# Altium PCB WX0.006.499PCB-4.2.PcbDoc
Units mm, origin at the board's own origin, x right, y up, seen from the top; angles counter-clockwise.
Board outline 80.25 x 205.05 mm, 4 copper layers (Top Layer, GND, POWER, Bottom Layer), stack 0.778 mm thick; 72 components, 48 nets, 289 pads, 302 vias.
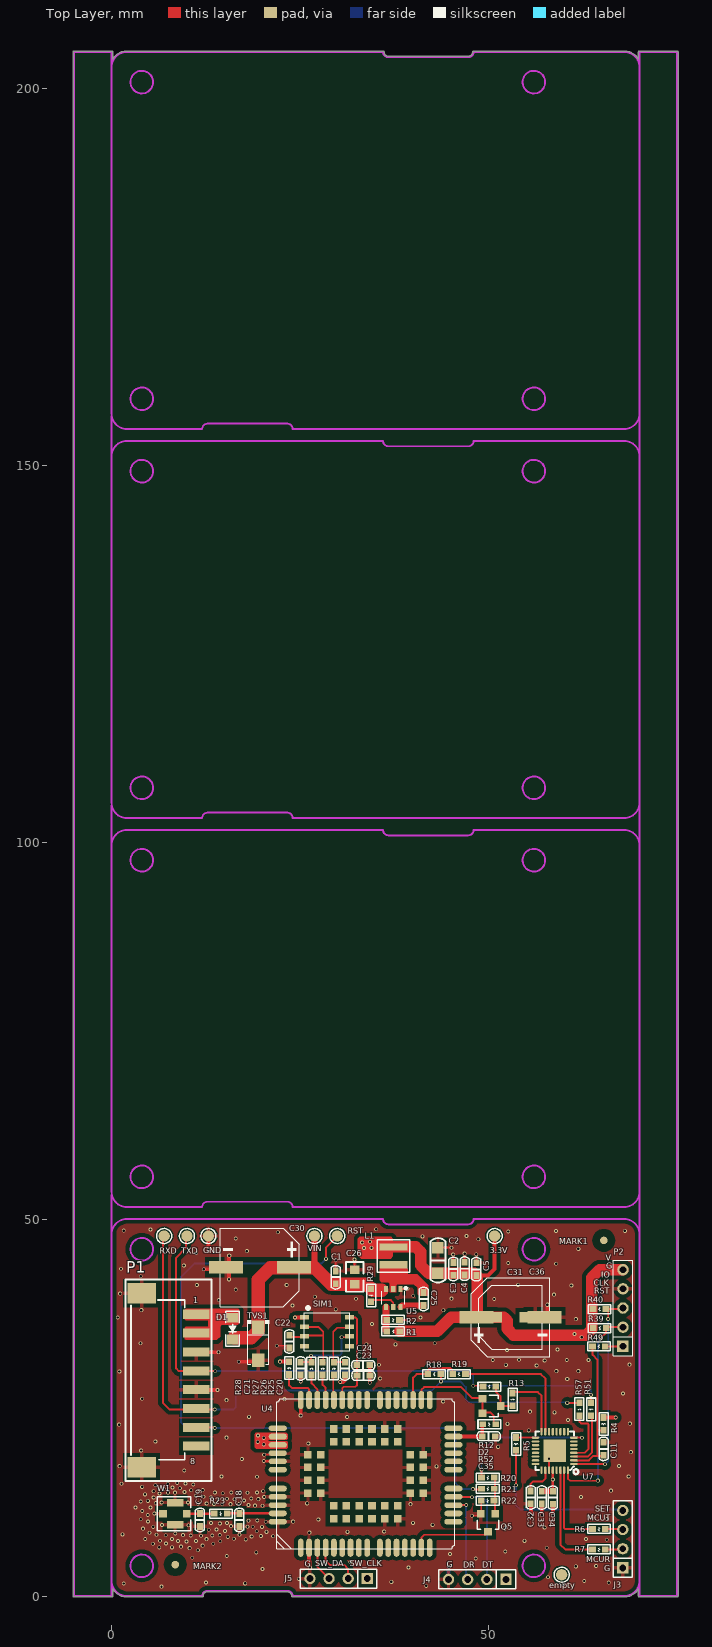
[diagram p0: Top Layer view]
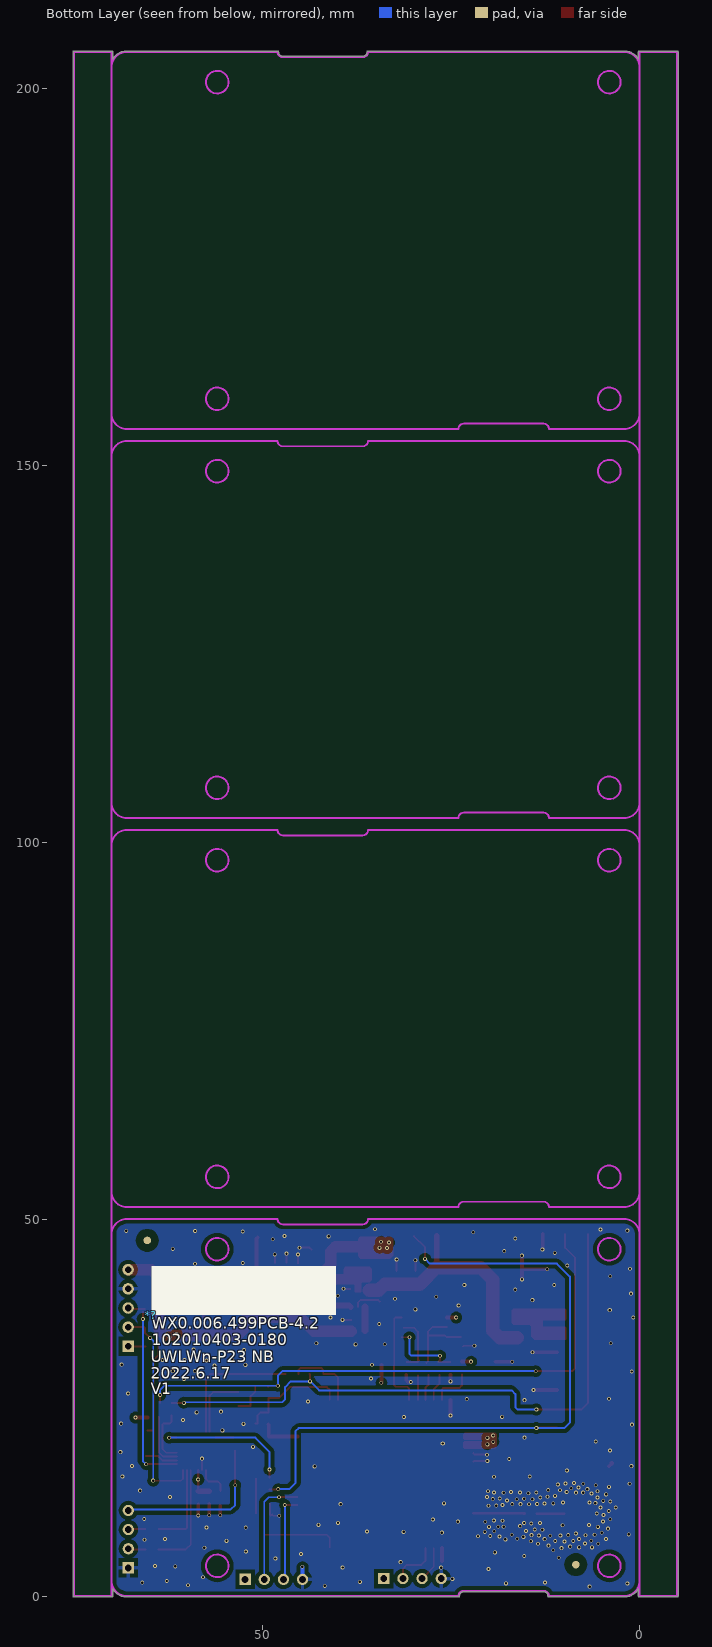
[diagram p1: Bottom Layer view, seen from below]
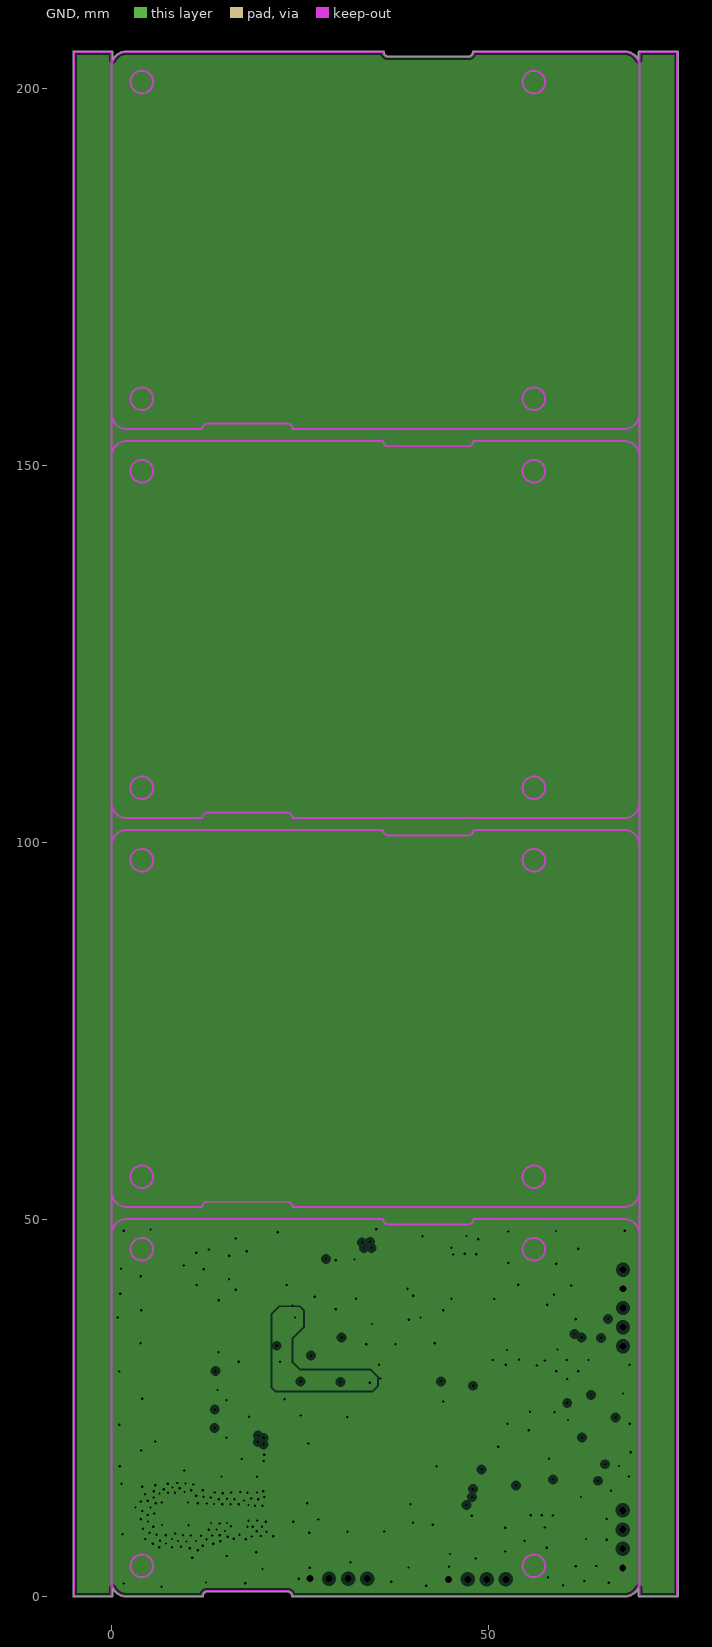
[diagram p2: GND, clearances drawn from the general rule]
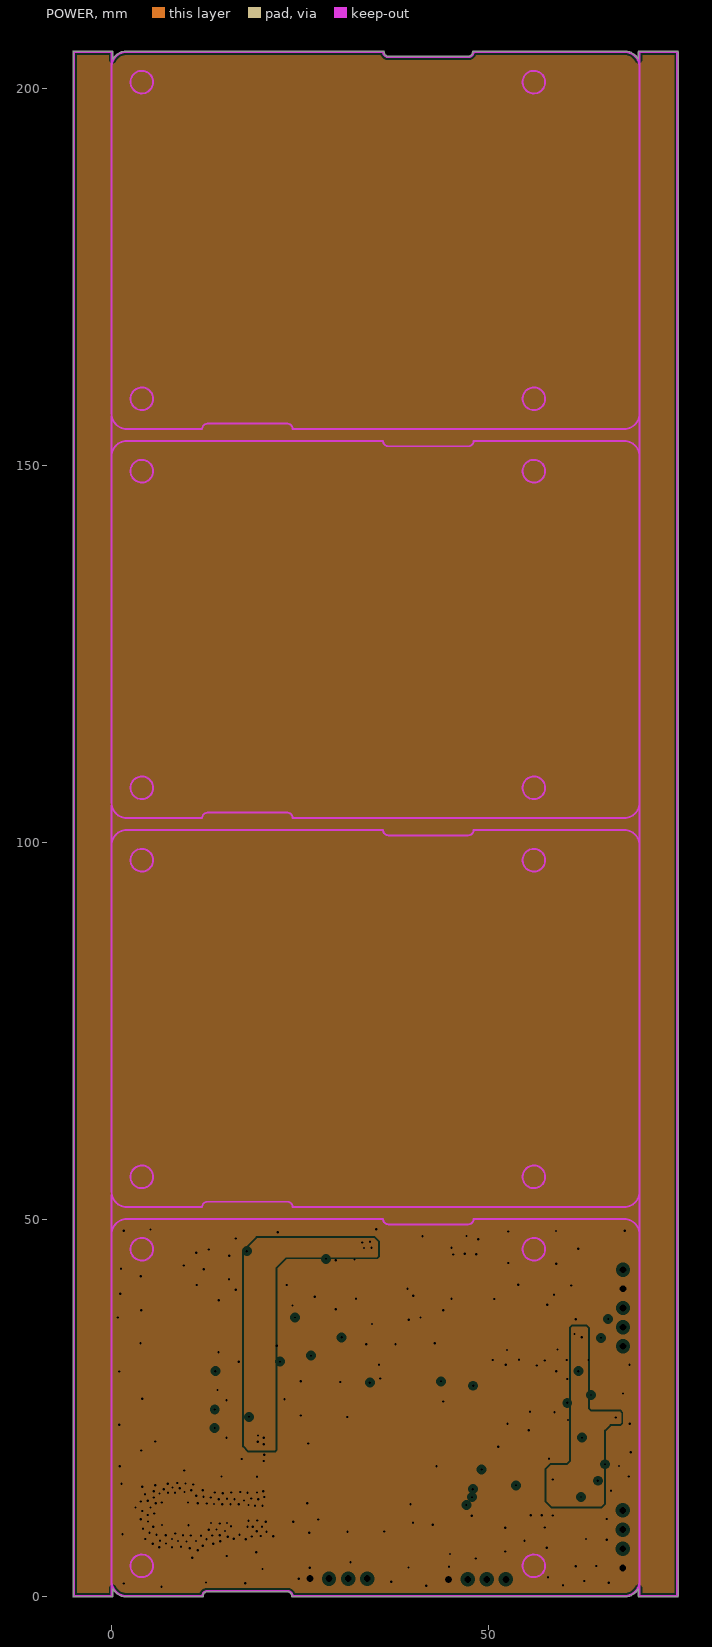
[diagram p3: POWER, clearances drawn from the general rule]

## Layer stack, top to bottom
Top Solder: solder mask 0.0102, Solder Resist, Dk 3.5
Top Layer: signal copper 0.0356
Dielectric 1: core 0.254, FR-4, Dk 4.2
GND: plane copper 0.036, net GND
Dielectric 2: prepreg 0.127, Dk 4.2
POWER: plane copper 0.036, net (Multiple Nets)
Dielectric 3: core 0.254, Dk 4.2
Bottom Layer: signal copper 0.0356
Bottom Solder: solder mask 0.0102, Solder Resist, Dk 3.5

## Board outline
-5,-0.127 0,-0.127 ccw(c0,0) 0.127,0 0.127,0.991 ccw(c2,2) 1.998,-0.127 ccw(c2,0) 2,-0.127 12,-0.127 ccw(c12,0) 12.127,0 cw(c12.7,0) 12.7,0.573 23.3,0.573 cw(c23.3,0) 23.873,0 ccw(c24,0) 24,-0.127 68,-0.127 ccw(c68,0) 68.002,-0.127 ccw(c68,2) 69.873,0.991 69.873,0 ccw(c70,0) 70,-0.127 75,-0.127 ccw(c75,0) 75.127,0 75.127,204.8 ccw(c75,204.8) 75,204.927 70,204.927 ccw(c70,204.8) 69.873,204.8 69.873,203.809 ccw(c68,202.8) 68.001,204.927 ccw(c68,204.8) 68,204.927 48,204.927 ccw(c48,204.8) 47.873,204.8 cw(c47.3,204.8) 47.3,204.227 36.7,204.227 cw(c36.7,204.8) 36.127,204.8 ccw(c36,204.8) 36,204.927 2,204.927 ccw(c2,204.8) 1.998,204.927 2,204.927 ccw(c2,202.8) 0.127,203.81 0.127,204.8 ccw(c0,204.8) 0,204.927 -5,204.927 ccw(c-5,204.8) -5.127,204.8 -5.127,0 ccw(c-5,0)

## Design rules (kind name [scope] priority, off if disabled: settings)
Clearance VIA-VIA [ISVIA vs ISVIA] p1: gap=0.508 ignorepadtopadclearanceinfootprint=FALSE except(0: Arc-Hole Track-Hole SMDPad-Hole THPad-Hole Via-Hole Fill-Hole Poly-Hole Region-Hole Text-Hole)
Clearance VIA-PAD [ISVIA vs ISPAD] p2: gap=0.381 ignorepadtopadclearanceinfootprint=FALSE except(0: Arc-Hole Track-Hole SMDPad-Hole THPad-Hole Via-Hole Fill-Hole Poly-Hole Region-Hole Text-Hole)
Clearance VIA-TRACK [ISVIA vs ISTRACK] p3: gap=0.381 ignorepadtopadclearanceinfootprint=FALSE except(0: Arc-Hole Track-Hole SMDPad-Hole THPad-Hole Via-Hole Fill-Hole Poly-Hole Region-Hole Text-Hole)
Clearance Polygon [InPolygon] p4: gap=0.508 ignorepadtopadclearanceinfootprint=FALSE except(0: Arc-Hole Track-Hole SMDPad-Hole THPad-Hole Via-Hole Fill-Hole Poly-Hole Region-Hole Text-Hole)
Clearance [All] p5: gap=0.178 ignorepadtopadclearanceinfootprint=FALSE except(0: Arc-Hole Track-Hole SMDPad-Hole THPad-Hole Via-Hole Fill-Hole Poly-Hole Region-Hole Text-Hole)
ComponentClearance [All] p1 off: gap=0.254 collisioncheckmode=3 verticalgap=0.254 showdistances=FALSE
FabricationTestPointUsage TestPointUsage [All] p1: valid=0 allowmultiple=FALSE
FabricationTestpoint Testpoint [(IsPad And (OnTopLayer Or OnBottomLayer))] p1: side=3 testpointundercomponent=TRUE minsize=1.016 maxsize=2.54 preferedsize=1.524 minholesize=0 maxholesize=1.016 preferedholesize=0.813 testpointgrid=0.025 allowsidetop=TRUE allowsidebottom=TRUE usegrid=TRUE gridtolerance=0
HoleSize [All] p1 off: absolutevalues=TRUE maxlimit=7.62 minlimit=0 maxpercent=80.000 minpercent=20.000
HoleToHoleClearance [All] p1 off: gap=0.254 allowstackedmicrovias=TRUE
LayerPairs [All] p1 off: enforce=TRUE
MinimumSolderMaskSliver [All] p1 off: minsoldermaskwidth=0.254
NetAntennae [All] p1 off: netantennaetolerance=0
PlaneClearance [All] p1: clearance=0.508
PlaneConnect [All] p1: planeconnectstyle=Direct reliefexpansion=0.508 reliefentries=4 reliefconductorwidth=0.508 reliefairgap=0.254
PolygonConnect [isvia] p1: connectstyle=Direct reliefconductorwidth=0.381 reliefentries=4 polygonreliefangle="90 Angle" airgapwidth=0.254
PolygonConnect PolygonConnect_1 [All] p2: connectstyle=Relief reliefconductorwidth=0.508 reliefentries=4 polygonreliefangle="90 Angle" airgapwidth=0.508
RoutingVias [All] p1: holewidth=0.254 width=0.508 viastyle="Through Hole" minholewidth=0.127 minwidth=0.127 maxholewidth=1.27 maxwidth=2.54
SilkToBoardRegionClearance [All] p1 off:
SilkToSilkClearance [All] p1 off: silktosilkclearance=0.254
SilkToSolderMaskClearance [IsPad] p1 off: minsilkscreentomaskgap=0.254 clearancetoexposedcopper=TRUE
SolderMaskExpansion [All] p1: expansion=0.102
Width [All] p1: maxlimit=7.62 minlimit=0.203 preferedwidth=0.203
17 further rules are at their usual default settings.

## Components (designator, comment, footprint, x,y, rotation, side; value= is the part's Value field where it differs from the comment)
3.3V "TEST-PAD" TEST-PAD 50.8,47.752 r90 top
*? "Bar Code" "Bar Code1" 64.719,37.262 r180 bottom locked
C1 "100nF/50V" CAP0603 29.718,43.104 r270 top
C2 "10uF/16V" CAP1206 43.282,42.799 r90 top
C3 "100nF/50V" CAP0603 45.314,42.545 r90 top
C4 "33pF/50V" CAP0603 46.812,42.596 r90 top
C5 "10pF/50V" CAP0603 48.362,42.52 r90 top
C11 "100nF/50V" CAP0603 65.227,18.694 r90 top
C18 "NC" CAP0603 16.942,10.922 r270 top
C19 "NC" CAP0603 11.723,10.922 r270 top
C20 "33pF/50V" CAP0603 30.937,31.013 r270 top
C21 "33pF/50V" CAP0603 25.07,31.013 r270 top
C22 "33pF/50V" CAP0603 23.571,34.595 r270 top
C23 "33pF/50V" CAP0603 32.563,29.235 r0 top
C24 "100nF/50V" CAP0603 32.537,30.632 r0 top
C25 "100nF/50V" CAP0603 41.377,40.234 r270 top
C26 "22uF/10V" CAP0805 32.233,41.377 r0 top
C30 "1000uF/16V" CAPSM_450_1000_1050 19.66,43.586 r270 top
C31 "1000uF/16V" CAPSM_450_1000_1050 52.908,36.982 r90 top
C32 "10uF/10V" CAP0603 55.575,12.243 r90 top
C33 "10uF/10V" CAP0603 57.048,13.894 r270 top
C34 "100nF/50V" CAP0603 58.522,13.868 r270 top
C35 "1uF/16V" CAP0603 49.174,21.184 r0 top
C36 "220uF/16V" 220uf 52.908,36.982 r0 top
D1 "DSK14" SOD-123FL 16.027,36.982 r270 top
D2 "BAT54CLT1" SOT-23 50.394,25.197 r270 top
empty "TEST-PAD" TEST-PAD 59.69,2.819 r90 top
GND "GND" TEST-PAD 12.827,47.752 r0 top
J3 "PIN254_1*4*WXHJ" PIN254_1*4*1100S 67.793,3.734 r90 top
J4 "PIN254_1*4*WXHJ" PIN254_1*4*1100S 52.299,2.21 r180 top
J5 "PIN254_1*4*WXHJ" PIN254_1*4*1100S 33.909,2.311 r180 top
L1 "4.7uH, 2.9A" WE-MAPI_4020 37.389,45.11 r90 top
MARK1 "MARK" MARK 65.278,47.168 r90 top
MARK2 "MARK" MARK 8.433,4.166 r90 top
P1 "1*8_1" "A2502AWR 1*8" 7.595,28.626 r270 top
P2 "PIN254_1*5SR" PIN254_1*5SR 67.818,33.122 r90 top
Q5 "NPNS-9013" SOT-23 49.911,9.728 r180 top
R1 "39K 5%" RES0603 36.5,35.103 r0 top
R2 "12K 5%" RES0603 38.176,36.627 r180 top
R4 "10K 5%" RES0603 65.227,21.971 r90 top
R5 "3K 5%" RES0603 53.619,19.329 r90 top
R6 "1K 5%" RES0603 65.481,8.915 r180 top
R7 "1K 5%" RES0603 65.481,6.172 r180 top
R12 "1K 5%" RES0603 49.251,27.788 r0 top
R13 "1K 5%" RES0603 53.188,26.924 r270 top
R18 "1K 5%" RES0603 41.935,29.439 r0 top
R19 "1K 5%" RES0603 45.237,29.439 r0 top
R20 "1K 5%" RES0603 49.047,15.697 r0 top
R21 "1K 5%" RES0603 49.047,14.224 r0 top
R22 "20K 5%" RES0603 50.724,12.649 r180 top
R23 "0R 5%" RES0603 15.316,10.922 r180 top
R25 "22R 5%" RES0603 29.464,31.013 r270 top
R26 "22R 5%" RES0603 27.991,31.013 r270 top
R27 "22R 5%" RES0603 26.505,31.026 r270 top
R28 "10K 5%" RES0603 23.546,31.09 r270 top
R29 "100K 5%" RES0603 34.417,39.04 r90 top
R39 "10K 5%" RES0603 63.881,35.56 r0 top
R40 "10K 5%" RES0603 63.856,38.049 r0 top
R49 "100R 5%" RES0603 63.779,33.122 r0 top
R51 "1K 5%" RES0603 63.576,23.927 r90 top
R52 "20K 5%" RES0603 50.927,22.784 r180 top
R57 "1K 5%" RES0603 62.052,25.629 r270 top
RST "TEST-PAD" TEST-PAD 29.921,47.752 r0 top
RXD "TEST-PAD" TEST-PAD 6.96,47.752 r0 top
SIM1 "SIMIC" SIMIC 31.547,32.563 r90 top
TVS1 "SMAJ7.5CA" SMAJ7.5A 19.431,33.452 r270 top
TXD "TEST-PAD" TEST-PAD 9.982,47.752 r0 top
U4 "BC95B5JC-02-STD" BC95B5JC-02-STD 33.68,16.205 r90 top
U5 "JW5031S" "PCBComponent_1 - duplicate1" 38.151,42.774 r90 top (schematic designator *)
U7 "FM33LC0x3N" QFN32 61.316,17.501 r180 top
VIN "TEST-PAD" TEST-PAD 26.899,47.752 r0 top
W1 "天线" ANT-IPEX 8.433,10.922 r90 top

## Footprints (in the part's own frame and the unit in brackets; to place one, negate y for a bottom-side part, rotate by r counter-clockwise, add the part's x,y. Pads: shape width x height; smd on the part's side, far side on the other; paste and mask are expansions set on the pad)
220uf [mm]
  rect 4.2x1.4 smd: 1(-3.267,0) 2(3.267,0)
  silkscreen extent -4.2,-4.23 4.2,4.23
"A2502AWR 1*8" [mm]
  rect 1.2x3.5 smd: 1(-8.75,3.625) 2(-6.25,3.625) 3(-3.75,3.625) 4(-1.25,3.625) 5(1.25,3.625) 6(3.75,3.625) 7(6.25,3.625) 8(8.75,3.625)
  rect 2.7x3.8 smd: 9(-11.55,-3.625) 10(11.55,-3.625)
  silkscreen extent -13.35,-5.77 13.35,5.66
ANT-IPEX [mm] "IPX天线座"
  rect 1x1.05 smd: 1(0,-1.525)
  rect 1x2.2 smd: 2(-1.475,0.025) 2(1.475,0.025)
  rect 1x1 smd: 2(0,1.626)
  silkscreen extent -2.26,-2.08 2.26,2.37
"Bar Code1" [mm]
  silkscreen extent 0,0 24.5,6.5
BC95B5JC-02-STD [mm]
  oval 2.4x0.75 smd: 1(-9.8,8.6) 2(-9.8,7.5) 3(-9.8,6.4) 4(-9.8,5.3) 5(-9.8,4.2) 6(-9.8,3.1) 7(-9.8,2) 8(-9.8,0.9) 9(-9.8,-0.2) 10(-9.8,-1.9) 11(-9.8,-3) 12(-9.8,-4.1) 13(-9.8,-5.2) 14(-9.8,-6.3) 15(-9.8,-7.4) 16(-9.8,-8.5) 28(9.8,-8.5) 29(9.8,-7.4) 30(9.8,-6.3) 31(9.8,-5.2) 32(9.8,-4.1) 33(9.8,-3) 34(9.8,-1.9) 35(9.8,-0.2) 36(9.8,0.9) 37(9.8,2) 38(9.8,3.1) 39(9.8,4.2) 40(9.8,5.3) 41(9.8,6.4) 42(9.8,7.5) 43(9.8,8.6)
  oval 0.75x2.4 smd: 17(-6.35,-11.65) 18(-5.25,-11.65) 19(-4.15,-11.65) 20(-3.05,-11.65) 21(-1.95,-11.65) 22(0.55,-11.65) 23(1.65,-11.65) 24(2.75,-11.65) 25(3.85,-11.65) 26(4.95,-11.65) 27(6.05,-11.65) 44(6.05,11.65) 45(4.95,11.65) 46(3.85,11.65) 47(2.75,11.65) 48(1.65,11.65) 49(0.55,11.65) 50(-1.95,11.65) 51(-3.05,11.65) 52(-4.15,11.65) 53(-5.25,11.65) 54(-6.35,11.65)
  rect 1x1 smd: 55(-5.95,4.25) 56(-5.95,2.55) 57(-5.95,0.85) 58(-5.95,-0.85) 59(-5.95,-2.55) 60(-5.95,-4.25) 61(-2.55,-7.65) 62(-0.85,-7.65) 63(0.85,-7.65) 64(2.55,-7.65) 65(5.95,-4.25) 66(5.95,-2.55) 67(5.95,-0.85) 68(5.95,0.85) 69(5.95,2.55) 70(5.95,4.25) 71(2.55,7.65) 72(0.85,7.65) 73(-0.85,7.65) 74(-2.55,7.65) 75(-4.25,4.25) 76(-4.25,2.55) 77(-4.25,0.85) 78(-4.25,-0.85) 79(-4.25,-2.55) 80(-4.25,-4.25) 81(-2.55,-5.95) 82(-0.85,-5.95) 83(0.85,-5.95) 84(2.55,-5.95) 85(4.25,-4.25) 86(4.25,-2.55) 87(4.25,-0.85) 88(4.25,0.85) 89(4.25,2.55) 90(4.25,4.25) 91(2.55,5.95) 92(0.85,5.95) 93(-0.85,5.95) 94(-2.55,5.95)
  silkscreen extent -9.95,-11.8 9.95,11.8
CAP0603 [mil]
  rect 35x31 smd: 1(-0.49,0) 2(66.51,0)
  silkscreen extent -29,-24 94,23, body extent 1,-15 72,15, height 20
CAP0805 [mm]
  rect 1.27x1.14 smd: 1(0,0) 2(0,1.9)
  silkscreen extent -1.14,-1.02 1.14,2.92
CAP1206 [mil]
  rect 60x60 smd: 1(0,0) 2(134.8,0)
  silkscreen extent -48,-40 184,40, body extent -15,-29 163,29, height 20
CAPSM_450_1000_1050 [mm] "10*10.5mm"
  rect 1.65x4.5 smd: 1(0,4.5) 2(0,-4.5)
  silkscreen extent -5.23,-5.23 5.23,5.23
MARK [mm]
  round 1 smd: 0(0,0)
  round 1 smd far side: 1(0,0)
  Top Layer pour cut-out: -1.5,0 -1.386,-0.574 -1.061,-1.061 -0.574,-1.386 0,-1.5 0,-1.5 0.574,-1.386 1.061,-1.061 1.386,-0.574 1.5,0 1.5,0 1.386,0.574 1.061,1.061 0.574,1.386 0,1.5 0,1.5 -0.574,1.386 -1.061,1.061 -1.386,0.574 -1.5,0
  Bottom Layer pour cut-out: -1.5,0 -1.386,-0.574 -1.061,-1.061 -0.574,-1.386 0,-1.5 0,-1.5 0.574,-1.386 1.061,-1.061 1.386,-0.574 1.5,0 1.5,0 1.386,0.574 1.061,1.061 0.574,1.386 0,1.5 0,1.5 -0.574,1.386 -1.061,1.061 -1.386,0.574 -1.5,0
"PCBComponent_1 - duplicate1" [mm]
  rect 0.8x0.532 smd: 1(-2.026,-0.147) 2(-2.026,0.803) 3(-2.026,1.753) 4(-4.426,1.753) 5(-4.426,0.803) 6(-4.426,-0.147)
  silkscreen extent -4.1,-1.02 -1.79,2.33
PIN254_1*4*1100S [mm] "Connector; Header; 4 Position"
  rect 1.5x1.5 hole 0.9: 1(0,0)
  round 1.5 hole 0.9: 2(2.54,0) 3(5.08,0) 4(7.62,0)
  silkscreen extent -1.27,-1.27 8.89,1.27, body extent -1.3,-1.3 8.86,1.24, height 8.54
PIN254_1*5SR [mil]
  rect 60x60 hole 35: 1(0,0)
  round 60 hole 35: 2(100,0) 3(200,0) 4(300,0) 5(400,0)
  silkscreen extent -50,-50 450,50
QFN32 [mm]
  rect 3x3 smd: 0(2.55,-1.75)
  oval 1x0.3 smd: 1(0,0) 2(0,-0.5) 3(0,-1) 4(0,-1.5) 5(0,-2) 6(0,-2.5) 7(0,-3) 8(0,-3.5) 17(5.1,-3.5) 18(5.1,-3) 19(5.1,-2.5) 20(5.1,-2) 21(5.1,-1.5) 22(5.1,-1) 23(5.1,-0.5) 24(5.1,0)
  oval 0.3x1 smd: 9(0.8,-4.3) 10(1.3,-4.3) 11(1.8,-4.3) 12(2.3,-4.3) 13(2.8,-4.3) 14(3.3,-4.3) 15(3.8,-4.3) 16(4.3,-4.3) 25(4.3,0.8) 26(3.8,0.8) 27(3.3,0.8) 28(2.8,0.8) 29(2.3,0.8) 30(1.8,0.8) 31(1.3,0.8) 32(0.8,0.8)
  silkscreen extent -0.57,-4.3 5.1,1.33
RES0603 [mil]
  rect 35x31 smd: 1(0,0) 2(67,0)
  silkscreen extent -26,-24 92,23, body extent 0,-15 71,15, height 12
SIMIC [mm]
  rect 0.6x1.2 smd: 1(4.405,6) 2(3.135,6) 3(1.865,6) 4(0.595,6) 5(0.595,0) 6(1.865,0) 7(3.135,0) 8(4.405,0)
  silkscreen extent 0,0 5.73,6, body extent 0,0 4.95,5.97, height 0.6
SMAJ7.5A [mm]
  rect 1.8x1.7 smd: 1(-2.192,0) 2(2.192,0)
  silkscreen extent -3.11,-1.48 2.73,1.48
SOD-123FL [mm]
  rect 1.3x1.4 smd: 1(0.074,0) 2(2.974,0)
  silkscreen extent -0.78,-0.9 3.82,0.9, body extent -0.28,-0.82 3.32,0.82, height 0.95
SOT-23 [mil]
  rect 40x40 smd: 1(-37.4,-47.24) 2(37.4,-47.24) 3(0,47.24)
  silkscreen extent -57,-12 57,35, body extent -57,-55 57,55, height 47
TEST-PAD [mm]
  round 1.5 smd: 1(0,0)
  silkscreen extent -1,-1 1,1
WE-MAPI_4020 [mm] "SMT Shielded Power Inductor, body 4.1x4.1mm"
  rect 0.98x3.7 smd: 1(-1.185,0) 2(1.185,0)
  silkscreen extent -2.15,-2.15 2.15,2.15, body extent -2.05,-2.05 2.05,2.05, height 2.1

## Part data
3.3V empty GND RST RXD TXD VIN: library part AD_WXHJ_TEST-PAD_01, "单面焊盘测试点"
*?: library part "AD_WXHJ_Bar Code_01", "条形码 无需焊接器件"
C1 C3 C11 C24 C25 C34: library part 101020103-0021, "104pF,50 V,±10%,0603,国巨,CC0603KRX7R9BB104"
C2: library part 101020101-0005, "106P,16 V,±10%,1206,国巨,CC1206KRNPO7BN106P"
C4 C20 C21 C22 C23: library part 101020103-0027, "33pF,50 V,±10%,0603,国巨,CC0603KRNPO9BN33"
C5: library part 101020103-0014, "10pF,50 V,±5%,0603,X7R,国巨,CC0603JRNPO9BN100"
C18 C19: library part CAP, "无极性电容"
C26: library part 101020102-0012, "226P,10 V,±20%,0805,村田电子有限公司,GRM21BR61A226ME51L"
C30 C31 C36: library part CAP-POL1, "电解电容"
C32 C33: library part 101020103-0026, "106pF,10 V,±10%,0603,村田,GRM188R61A106KE47D"
C35: library part 101020103-0003, "105pF,16 V,±10%,0603,国巨,CC0603KRX7R7BB105"
D1: library part DIODE, "二极管，Diode"
D2: library part 101040101-0038, "BAT54CLT1，SOT23-3,SOT23-3,0.2 A,0.8 V,30 V,安森美,BAT54CLT1"
J3 J4 J5: library part AD_WXHJ_PinHeader_01, "1*4 ，Φ1.0 ，2.54mm，直脚,无需焊接器件"
L1: library part 74438356047, "WE-MAPI SMT Power Inductor, size 4020, 4.7uH, 2.9A"
MARK1 MARK2: library part AD_WXHJ_MARK_01, "MARK点"
P2: library part 101090302-0002, "1*40 ，Φ1.0 ，2.54mm，弯脚,2.54 mm,单排,插件"
Q5: library part 101040201-0002, "9013,NPN,SOT-23,长电,S9013"
R1: library part 101010103-0064, "国巨,±5%,0603,,155 ℃,-55 ℃,RC0603JR-0739KL,无铅,100 ppm/℃,1/10W,,39K"
R2: library part 101010103-0046, "国巨,±5%,0603,,155 ℃,-55 ℃,RC0603JR-0712KL,含铅,100 ppm/℃,1/10W,,12K"
R4 R28 R39 R40: library part 101010103-0003, "国巨,±5%,0603,,155 ℃,-55 ℃,RC0603JR-0710KL,无铅,200 ppm/℃,1/10W,,10K"
R5 R12 R13 R18 R19 R20 R21 R51 R57: library part 101010103-0006, "国巨,±5%,0603,,155 ℃,-55 ℃,RC0603JR-073KL,无铅,100 ppm/℃,1/10W,,3K"
R6 R7: library part 101010103-0008, "1K,±5%,1/10W,0603,国巨,RC0603JR-071KL"
R22 R52: library part 101010103-0004, "国巨,±5%,0603,,155 ℃,-55 ℃,RC0603JR-0720KL,无铅,200 ppm/℃,1/10W,,20K"
R23: library part 101010103-0001, "国巨,±5%,0603,,155 ℃,-55 ℃,RC0603J2-070RL,无铅,200 ppm/℃,1/10W,,0R"
R25 R26 R27: library part 101010103-0009, "国巨,±5%,0603,,155 ℃,-55 ℃,RC0603JR-0722RL,无铅,200 ppm/℃,1/10W,,22欧"
R29: library part 101010103-0005, "国巨,±5%,0603,,155 ℃,-55 ℃,RC0603JR-07100KL,无铅,100 ppm/℃,1/10W,,100K"
R49: library part 101010103-0022, "100R,±5%,1/10W,0603,国巨,RC0603JR-07100RL"
SIM1: library part AD_XN_SIMIC_01, "SIMIC虚拟器件"
U4: library part 1011402-0141, "BC95-B5,23.6mm*19.9mm*2.2mm,BC95B5JC-02-STD,LCC贴片封装,上海移远通信技术股份"
U5: library part Component_3
W1: library part Antenna2, "天线，带屏蔽"

## Via types
v1: diameter 0.508, hole 0.305, Top Layer to Bottom Layer, tented both sides, 247 vias
v2: diameter 0.533, hole 0.305, Top Layer to Bottom Layer, tented both sides, 55 vias

## Nets (pads, with @x,y where several pads share a name; then routed paths per layer and width w, separated by ;. In a path a pad name is that pad's centre, name@x,y a point inside that pad or via, vN(x,y) a via of type N, cw(c..) or ccw(c..) an arc to the next point about the centre after c; other vN are vias at no path point)
3.3V: 3.3V.1 C2.1 C3.1 C4.1 C5.1 C31.1 C33.1 C34.1 C36.1 L1.2 P2.5 R1.2 R4.2 R39.1 R40.1 U4.45 U4.46 U7.28 | length 71.7
  Top Layer w0.305: U7.28 58.516,13.887 C34.1
  Top Layer w0.508: C5.1 49.899,42.507 50.775,43.383 50.775,47.422 3.3V.1@50.622,47.574 ; R4.2 v1(66.853,23.673)
  Top Layer w0.762: C33.1 C34.1@58.496,13.906
  Top Layer w1.524: L1.2 40.344,46.295 40.97,45.669 40.97,43.866 42.037,42.799 C2.1 48.07,42.799 C5.1 48.487,42.382 C31.1@48.487,36.982 ; R1.2 43.174,35.103 45.054,36.982 C31.1@48.487,36.982 ; P2.5 64.719,43.282 63.678,42.24 63.678,35.357 62.941,34.62 53.264,34.62 52.451,35.433 52.451,36.525 51.994,36.982 C31.1@48.487,36.982
  other v1: 20.168,20.117 19.38,20.447 20.168,20.98 19.406,21.285 62.332,34.315 61.392,34.747 33.477,46.152 34.468,46.177 33.223,46.888 34.265,46.99
  other v2: 58.522,15.443
BC95-RXD: D2.1 D2.2 R52.1 U4.29 | length 15.1
  Top Layer w0.254: U4.29 41.08,27.339 41.453,27.711 46.355,27.711 47.818,26.248 49.194,26.248 49.194,24.348 50.226,24.348 50.682,23.892 50.682,22.86 R52.1@50.927,22.86
BC95-TXD: R18.1 R19.1 U4.30 | length 9.7
  Top Layer w0.254: U4.30 39.98,28.982 40.437,29.439 R18.1 41.935,29.972 42.215,30.251 44.907,30.251 45.237,29.921 R19.1
DEBUG_RXD: J4.3 U4.19 | length 11.4
  Top Layer w0.254: U4.19 45.34,12.065 v1(47.041,12.065) v1@47.097,12.065
  Bottom Layer w0.254: J4.3@47.015,2.413 47.015,12.04 v1(47.041,12.065)
DEBUG_TXD: J4.2 U4.20 | length 15.1
  Top Layer w0.254: U4.20 47.703,13.155 47.803,13.056 v1(47.803,13.106)
  Bottom Layer w0.254: v1(47.803,13.106) 49.174,13.106 49.759,12.522 J4.2
EMERG_RST: Q5.3 U4.15 | length 10.1
  Top Layer w0.254: U4.15 41.08,7.756 41.447,8.122 Q5.3@49.708,8.122
GND: C1.1 C2.2 C3.2 C4.2 C5.2 C11.2 C18.2 C19.2 C20.2 C21.2 C22.2 C26.2 C30.2 C31.2 C32.1 C33.2 C34.2 C35.2 C36.2 GND.1 J3.1 J4.4 J5.4 P1.3 P1.5 P1.9 P1.10 P2.4 Q5.2 R2.1 R22.2 TVS1.2 U4.2 U4.43 U4.47 U4.48 U4.51 U4.52 U4.54 U4.59 U4.60 U4.61 U4.62 U4.63 U4.64 U4.65 U4.66 U4.71 U4.72 U4.73 U4.74 U4.81 U4.82 U4.83 U4.92 U4.93 U4.94 U5.1 U7.0 U7.27 W1.2 | length 50.9
  Top Layer w0.254: v1(20.168,17.907) 21.979,17.907 U4.48 ; v1(20.218,18.745) 21.82,18.745 U4.47 ; v1(21.895,33.198) 23.279,33.198 C22.2@23.38,33.096 ; C1.1 v1(29.718,44.526) ; C26.2@32.207,43.124 v1@32.207,44.602 ; R2.1 v1(39.395,36.627) ; U5.1 v1(39.243,40.748) ; C2.2@43.464,45.898 43.769,46.203 v1(45.085,46.203) ; C3.2@45.288,44.107 v1(45.288,45.288) ; C4.2@46.812,44.26 v1(46.812,45.415) ; v1(47.777,10.643) Q5.2@48.637,10.643 ; C5.2@48.362,44.184 v1(48.362,45.314) ; Q5.2@48.688,10.846 Q5.2@48.789,10.744 ; Q5.2@48.942,10.7 49.022,10.78 R22.2@49.022,12.3 ; U7.27 U7.0@58.016,18.501
  Top Layer w0.508: P1.10@3.637,17.678 P1.10@3.69,17.625 ; P1.10@3.658,17.592 P1.10@4.039,17.211 ; P1.5@10.94,27.325 v1(14.041,27.325) ; P1.3@10.94,32.325 14.164,32.325 v1(14.173,32.334) ; v1(12.217,43.332) C30.2@15.568,43.332 ; v1@12.827,46.025 GND.1@12.827,48.006 ; C30.2@15.568,43.586 v2@15.568,45.109 ; v2(15.57,42.012) C30.2@15.57,43.331 ; v1(16.866,31.064) TVS1.2@19.109,31.064 ; v1(25.07,28.473) C21.2 ; v2@25.08,23.963 U4.43 ; 26.18,4.667 U4.2 ; v1(30.328,28.397) 30.683,28.397 30.937,28.651 C20.2 ; v1(55.601,10.719) C32.1@55.601,11.976 ; v1(57.048,10.719) C33.2 ; C31.2@57.787,36.982 v2@57.787,38.632 ; v1(58.522,10.693) C34.2
  Bottom Layer w0.508: J4.4 v1@44.679,3.835
  other v1: 6.604,1.245 41.732,1.346 59.868,1.422 1.6,1.651 17.704,1.676 65.938,1.778 12.522,1.803 62.687,1.981 57.887,2.489 20.015,3.581 39.37,3.785 44.729,3.886 61.57,3.937 64.262,3.988 48.285,4.978 10.693,5.08 15.265,5.309 44.882,5.563 19.177,5.791 52.197,5.893 11.43,6.071 10.338,6.35 57.709,6.401 6.299,6.452 8.001,6.452 9.195,6.553 12.065,6.68 5.461,6.934 13.462,6.934 7.214,6.96 9.931,7.239 14.402,7.264 8.788,7.29 11.176,7.29 54.762,7.315 6.401,7.341 65.659,7.468 17.78,7.518 12.573,7.544 4.445,7.569 8.001,7.569 62.916,7.569 16.205,7.595 15.392,7.849 18.567,7.899 21.412,7.925 19.787,7.95 11.836,8.001 10.49,8.026 13.335,8.026 7.163,8.052 9.449,8.077 14.326,8.077 5.944,8.128 16.942,8.128 1.422,8.179 8.433,8.306 5.004,8.382 20.523,8.509 19.253,8.585 15.037,8.636 12.878,8.788 13.894,8.814 4.166,8.941 52.222,9.068 57.429,9.093 5.512,9.169 19.939,9.169 18.009,9.195 18.72,9.195 15.824,9.271 10.185,9.398 6.68,9.423 14.351,9.627 13.183,9.677 15.291,9.677 20.447,9.855 4.826,9.881 18.161,9.982 19.304,10.008 3.861,10.185 65.684,10.211 4.775,10.744 5.664,10.947 4.064,11.278 3.15,11.735 5.156,11.735 20.015,11.963 18.999,11.989 18.161,12.065 14.656,12.167 15.773,12.192 16.866,12.192 13.564,12.217 12.598,12.268 11.43,12.294 5.842,12.319 6.629,12.395 10.135,12.395 3.861,12.548 4.801,12.624 17.551,12.675 14.199,12.827 16.281,12.827 19.456,12.852 15.291,12.903 18.517,12.929 13.157,13.056 5.563,13.081 20.218,13.132 12.192,13.157 11.201,13.284 4.42,13.487 6.35,13.589 14.732,13.64 18.009,13.691 7.468,13.716 8.407,13.716 13.691,13.741 15.85,13.741 19.279,13.741 9.652,13.792 17.043,13.792 5.563,13.894 20.091,13.894 10.541,14.021 12.09,14.046 6.909,14.173 9.042,14.3 8.077,14.402 5.791,14.681 10.82,14.783 1.295,14.884 7.442,14.884 9.804,14.935 8.687,14.986 19.279,15.824 14.554,15.85 9.627,16.637 67.298,17.234 17.272,18.161 51.257,19.787 5.791,20.498 15.24,21.006 55.321,21.971 0.991,22.733 52.502,22.835 55.499,24.46 15.24,25.984 22.911,26.111 4.039,26.162 35.611,28.854 1.016,29.769 35.458,30.683 57.429,31.242 60.35,31.293 50.546,31.318 63.246,31.318 54.026,31.344 37.643,33.376 33.782,33.401 3.81,33.528 42.85,33.528 34.519,36.093 0.813,36.932 40.97,36.932 43.993,37.897 29.718,38.024 23.978,38.532 14.199,39.243 50.749,39.395 32.41,39.421 45.085,39.446 26.949,39.7 40.005,39.827 58.674,39.98 16.459,40.64 11.303,41.25 3.861,42.418 1.245,43.409 9.576,43.84 58.953,44.069 52.603,44.171 32.207,44.628 11.227,45.517 17.932,45.745 12.878,45.974 61.9,46.05 48.641,47.32 16.459,47.422 41.224,47.701 47.066,47.752 22.047,48.26 52.603,48.362 58.928,48.412 68.072,48.438 1.6,48.463 5.156,48.616 35.077,48.641
  other v2: 37.084,1.88 24.816,2.286 26.289,3.759 31.674,4.496 26.213,8.407 31.267,8.509 36.144,8.56 42.57,9.449 39.98,9.703 24.079,9.855 27.407,10.16 39.624,12.192 25.933,12.294 62.255,13.132 66.218,13.97 4.039,14.478 68.58,15.85 43.078,17.196 1.067,17.221 58.016,18.212 68.859,19.075 3.912,19.304 26.086,20.218 68.732,22.86 60.528,23.343 31.242,23.749 18.212,23.774 25.07,23.952 58.725,24.359 43.967,25.806 67.818,26.873 60.427,28.778 58.979,29.82 61.9,29.82 56.363,30.582 52.273,30.658 68.682,30.683 52.426,32.639 59.131,32.69 61.57,36.728 3.937,37.922 57.785,38.633 1.118,40.107 60.96,41.199 23.216,41.25 53.924,41.275 15.596,45.136
GPRS_RST: R20.1 U7.8 | length 18.6
  Top Layer w0.254: R20.1 v1@49.047,16.764 ; U7.8 v1(62.382,21.001)
  Bottom Layer w0.254: v1(49.073,16.789) 49.073,19.126 50.947,21.001 v1(62.382,21.001)
MAIN_ANT: C18.1 R23.1 U4.53 | length 6.9
  Top Layer w0.318: R23.1 15.349,10.955 U4.53
  Top Layer w0.356: R23.1@15.222,10.955 R23.1@15.349,10.955
MCU_RST: C11.1 R4.1 R49.1 U7.2 | length 20
  Top Layer w0.254: U7.2 63.289,18.001 63.869,18.58 64.414,18.58 ; R49.1 63.779,31.979 64.414,31.344 64.414,21.971 ; R4.1 64.414,21.971 ; C11.1@65.405,18.58 64.414,18.58 ; C11.1@65.418,18.593 C11.1@65.43,18.593 ; 64.414,18.58 64.414,21.971
MCU_RXD0: R51.1 U7.3 | length 7.3
  Top Layer w0.254: U7.3 63.178,18.501 63.703,19.026 R51.1@63.703,23.724
MCU_RXD1: R19.2 U7.15 | length 17.9
  Top Layer w0.254: R19.2 56.931,29.439 57.516,28.854 U7.15
MCU_RXD5: R7.2 U7.30 | length 14.4
  Top Layer w0.254: U7.30 59.516,6.829 60.173,6.172 R7.2
MCU_TXD0: R57.2 U7.4 | length 7.6
  Top Layer w0.254: U7.4 62.765,19.001 63.271,19.507 63.271,22.733 63.119,22.885 62.255,22.885 62.052,23.089 R57.2
MCU_TXD1: R13.1 U7.16 | length 8.8
  Top Layer w0.254: R13.1@53.188,27.051 56.54,27.051 57.016,26.576 U7.16
MCU_TXD5: R6.2 U7.31 | length 11.5
  Top Layer w0.254: U7.31 60.016,9.022 60.122,8.915 R6.2
NetC19_1: C19.1 R23.2 W1.1 | length 3.7
  Top Layer w0.318: W1.1 R23.2
NetC25_1: C25.1 L1.1 U5.2
NetC25_2: C25.2 U5.6 | length 3.2
  Top Layer w0.762: U5.6 38.495,38.544 C25.2
NetC32_2: C32.2 U7.26 | length 4.3
  Top Layer w0.254: C32.2 55.575,14.884 55.88,15.189 57.125,15.189 57.516,15.58 U7.26
NetD1_1: D1.1 P1.1 P1.2
NetD2_3: D2.3 R12.2 R13.2 | length 4.5
  Top Layer w0.254: R12.2 50.952,27.127 51.562,26.518 51.562,25.228 D2.3 53.162,25.197 R13.2
NetJ3_2: J3.2 R7.1 | length 2.2
  Top Layer w0.254: R7.1 J3.2@67.691,6.172
NetJ3_3: J3.3 R6.1 | length 2.2
  Top Layer w0.254: R6.1 J3.3@67.691,8.915
NetJ3_4: J3.4 R5.1 | length 21.7
  Top Layer w0.254: v1(53.619,14.681) R5.1
  Bottom Layer w0.254: v1(53.619,14.681) 53.619,12.065 54.204,11.481 57.364,11.481 57.389,11.455 67.691,11.455 J3.4
NetP2_1: P2.1 R49.2 | length 2.3
  Top Layer w0.254: R49.2 P2.1
NetQ5_1: Q5.1 R20.2 R21.2 R22.1 | length 4.7
  Top Layer w0.254: Q5.1 R20.2@50.861,15.585
NetR1_1: R1.1 R2.2 U5.4 | length 3.1
  Top Layer w0.889: R1.1@36.398,35.204 U5.4
NetR25_2: R25.2 U4.39 | length 3.3
  Top Layer w0.254: U4.39@29.388,25.996 R25.2@29.388,29.286
NetR26_2: R26.2 U4.40 | length 3.5
  Top Layer w0.254: R26.2 27.991,27.991 28.38,27.601 U4.40
NetR27_2: R27.2 U4.41 | length 3.6
  Top Layer w0.254: R27.2 26.505,28.206 27.28,27.431 U4.41
NetR28_2: R28.2 U4.42 | length 5.7
  Top Layer w0.254: R28.2 23.546,27.94 23.92,27.566 26.028,27.566 26.18,27.414 U4.42
NetR29_1: R29.1 U5.5 | length 3.7
  Top Layer w0.254: R29.1 34.62,39.243 37.033,39.243 37.348,38.928 U5.5
RST_CTL: P1.7 R21.1 RST.1 | length 93.4
  Top Layer w0.254: P1.7@10.94,22.325 v1@13.616,22.325 ; v2(28.435,44.717) 28.435,46.266 RST.1 ; v1@47.904,14.122 R21.1@49.047,14.122
  Bottom Layer w0.254: v2(28.435,44.717) 27.813,44.094 10.947,44.094 9.22,42.367 9.22,23.012 9.957,22.276 v1(13.665,22.276) 45.212,22.276 45.593,21.895 45.593,15.037 46.457,14.173 v1(47.904,14.173)
RXD: P1.6 R18.2 R57.1 RXD.1 | length 83.7
  Top Layer w0.254: RXD.1@6.807,48.006 6.807,25.654 7.722,24.74 v1(13.671,24.74) ; v1(43.688,28.473) 43.688,29.388 R18.2@43.764,29.464 ; v2(60.427,25.629) R57.1
  Bottom Layer w0.254: v1(13.671,24.74) 16.129,24.74 16.459,25.07 16.459,26.772 16.967,27.28 42.494,27.28 v1(43.688,28.473) 46.228,28.473 46.99,27.711 46.99,26.086 47.371,25.705 60.35,25.705 v2(60.427,25.629)
SET: R5.2 U7.17 | length 2.4
  Top Layer w0.254: R5.2@53.843,21.001 U7.17
SIM_CLK: C21.1 R27.1 SIM1.6 | length 10
  Top Layer w0.254: C21.1 26.746,31.026 26.441,31.331 v1(26.441,31.877) ; v1@30.545,34.326 SIM1.6@31.547,34.326
  Bottom Layer w0.254: v1(26.441,31.877) 30.251,31.877 30.505,32.131 v1(30.505,34.315)
SIM_DATA: C22.1 R26.1 SIM1.2 SIM1.3 | length 11.5
  Top Layer w0.254: C22.1@23.647,34.379 SIM1.3@25.596,34.379 ; SIM1.3@25.547,34.326 25.765,34.544 27.991,34.544 ; SIM1.2 27.421,35.698 28.067,35.052 28.067,31.09 R26.1@28.245,30.912
SIM_GND: C23.2 C24.2 R28.1 SIM1.1 | length 4.8
  Top Layer w0.508: v1(22.327,31.09) R28.1 ; v1(24.308,36.932) 25.511,36.932 SIM1.1 ; v1@34.227,28.283 C24.2
  other v1: 34.239,28.296
SIM_RST: C20.1 R25.1 SIM1.7 | length 8.2
  Top Layer w0.254: R25.1@29.21,31.242 29.388,31.064 29.388,35.077 29.896,35.585 SIM1.7@31.304,35.585 ; R25.1@29.235,31.242 R25.1 ; R25.1@29.439,31.013 C20.1@30.925,31.013
SWCLK: P2.2 R39.2 U7.32 | length 28.2
  Top Layer w0.254: U7.32 60.516,15.583 60.808,15.291 v2(64.491,15.291) ; v2(64.897,34.239) 65.583,34.925 R39.2 65.684,35.662 P2.2
  Bottom Layer w0.254: v2(64.491,15.291) 64.491,33.833 v2(64.897,34.239)
SWD_CLK: J5.2 U4.4 | length 6.4
  Top Layer w0.254: U4.4 28.38,4.665 28.931,4.115 30.834,4.115 31.369,3.58 J5.2
SWD_DATA: J5.3 U4.3 | length 4.7
  Top Layer w0.254: U4.3 27.28,3.86 J5.3
SWIO: P2.3 R40.2 U7.1 | length 26.9
  Top Layer w0.254: U7.1 v1@65.405,17.501 ; R40.2 67.666,38.049 P2.3 ; v2(65.862,36.754) R40.2@65.862,37.744
  Bottom Layer w0.254: v1(65.43,17.475) 65.862,17.907 v2(65.862,36.754)
TXD: P1.4 R12.1 R51.2 TXD.1 | length 78.4
  Top Layer w0.254: TXD.1@9.855,48.006 9.855,46.177 8.534,44.856 8.534,30.201 8.915,29.82 v1(13.741,29.82) ; v1(47.955,27.889) 49.149,27.889 R12.1 ; R51.2 v2(63.576,26.67)
  Bottom Layer w0.254: v1(13.741,29.82) 47.371,29.82 47.955,29.235 v1(47.955,27.889) 63.043,27.889 63.576,27.356 v2(63.576,26.67)
USIM_VDD: C23.1 C24.1 SIM1.8 U4.38 | length 13.5
  Top Layer w0.254: U4.38 30.58,27.558 30.785,27.762 32.334,27.762 32.55,27.978 C23.1 C24.1@32.55,30.607 ; SIM1.8 32.323,36.968 32.525,36.766 C24.1
VCC_TX: C1.2 C26.1 C30.1 D1.2 R29.2 TVS1.1 U5.3 VIN.1 | length 32.9
  Top Layer w0.762: 26.899,43.485 VIN.1
  Top Layer w1.778: D1.2@16.231,34.262 18.506,34.262 19.431,35.187 TVS1.1 19.431,41.935 21.031,43.536 26.952,43.536 29.111,41.377 C26.1 33.782,41.377 R29.2 34.595,40.564 35.839,40.564
VDD_EXT: C35.1 R52.2 U4.26 | length 5.5
  Top Layer w0.508: U4.26 49.134,21.155 C35.1 49.162,22.721 R52.2
pads on no net: empty.1 J4.1 J5.1 MARK1.0 MARK1.1 MARK2.0 MARK2.1 P1.8 SIM1.4 SIM1.5 U4.1 U4.5 U4.6 U4.7 U4.8 U4.9 U4.10 U4.11 U4.12 U4.13 U4.14 U4.16 U4.17 U4.18 U4.21 U4.22 U4.23 U4.24 U4.25 U4.27 U4.28 U4.31 U4.32 U4.33 U4.34 U4.35 U4.36 U4.37 U4.44 U4.49 U4.50 U4.55 U4.56 U4.57 U4.58 U4.67 U4.68 U4.69 U4.70 U4.75 U4.76 U4.77 U4.78 U4.79 U4.80 U4.84 U4.85 U4.86 U4.87 U4.88 U4.89 U4.90 U4.91 U7.5 U7.6 U7.7 U7.9 U7.10 U7.11 U7.12 U7.13 U7.14 U7.18 U7.19 U7.20 U7.21 U7.22 U7.23 U7.24 U7.25 U7.29

## Polygon pours and split planes (outlines as drawn)
GND on Bottom Layer "Top Layer-No Net" (solid, remove dead copper, pour order 5): -0.097,48.417 -0.097,48.824 1.118,50.038 1.12,50.036 68.618,50.036 68.757,50.036 69.975,48.818 70.097,48.696 70.097,1.583 70.097,1.443 68.618,-0.036 1.382,-0.036 1.382,0.104 -0.097,1.583
GND on Top Layer "Top Layer-No Net 1" (solid, remove dead copper, pour order 3): -0.036,48.618 1.283,49.936 68.25,49.936 68.857,49.936 69.975,48.818 70.112,48.681 70.112,1.791 70.112,1.319 68.818,0.025 68.696,-0.097 1.583,-0.097 1.443,-0.097 -0.036,1.382
SIM_GND on GND (split plane): 25.398,37.767 25.398,35.791 23.911,34.305 23.883,34.263 23.874,34.214 23.874,30.988 23.883,30.938 23.911,30.896 24.851,29.957 24.893,29.929 24.943,29.919 34.236,29.919 35.202,28.953 35.202,27.917 34.541,27.257 21.796,27.257 21.313,27.74 21.313,37.335 22.279,38.301 24.864,38.301
GND on GND (split plane): 191 vertices, not listed, extent -4.617,0.382 74.617,204.418
3.3V on POWER (split plane): 35.354,46.936 35.354,45.139 35.151,44.935 23.165,44.935 23.115,44.925 23.073,44.897 21.752,43.576 21.724,43.534 21.715,43.485 21.715,19.383 21.613,19.281 18.164,19.281 17.554,19.891 17.554,45.743 19.281,47.47 34.821,47.47
3.3V on POWER (split plane): 63.167,35.506 63.167,33.757 63.167,25.095 63.167,24.892 63.177,24.842 63.205,24.8 63.485,24.521 63.527,24.493 63.576,24.483 67.383,24.483 67.587,24.28 67.587,22.99 67.383,22.786 66.167,22.786 66.117,22.776 66.075,22.748 65.364,22.037 65.336,21.995 65.326,21.946 65.326,18.339 65.326,12.296 64.894,11.864 58.397,11.864 57.66,12.601 57.66,16.761 58.296,17.397 60.401,17.397 60.451,17.406 60.493,17.434 60.874,17.815 60.902,17.857 60.912,17.907 60.912,33.553 60.912,35.532 61.141,35.761 62.913,35.761
GND on POWER (split plane): 191 vertices, not listed, extent -4.617,0.382 74.617,204.418

## Keep-outs
Keep-Out Layer:
  circle w0.254: c56,46 r1.5
  circle w0.254: c56,4 r1.5
  circle w0.254: c4,4 r1.5
  circle w0.254: c56,46 r1.5
  circle w0.254: c56,4 r1.5
  circle w0.254: c4,4 r1.5
  circle w0.254: c4,46 r1.5
  circle w0.254: c4,46 r1.5
  circle w0.254: c4,4 r1.5
  circle w0.254: c56,4 r1.5
  circle w0.254: c56,46 r1.5
  circle w0.254: c56,97.6 r1.5
  circle w0.254: c56,55.6 r1.5
  circle w0.254: c4,55.6 r1.5
  circle w0.254: c4,97.6 r1.5
  circle w0.254: c56,149.2 r1.5
  circle w0.254: c56,107.2 r1.5
  circle w0.254: c4,107.2 r1.5
  circle w0.254: c4,149.2 r1.5
  circle w0.254: c56,200.8 r1.5
  circle w0.254: c56,158.8 r1.5
  circle w0.254: c4,158.8 r1.5
  circle w0.254: c4,200.8 r1.5
  circle w0.254: c56,46 r1.5
  circle w0.254: c56,4 r1.5
  circle w0.254: c4,4 r1.5
  circle w0.254: c4,46 r1.5
  circle w0.254: c56,46 r1.5
  circle w0.254: c56,4 r1.5
  circle w0.254: c4,4 r1.5
  circle w0.254: c4,46 r1.5
  circle w0.254: c56,97.6 r1.5
  circle w0.254: c56,55.6 r1.5
  circle w0.254: c4,55.6 r1.5
  circle w0.254: c4,97.6 r1.5
  circle w0.254: c56,149.2 r1.5
  circle w0.254: c56,107.2 r1.5
  circle w0.254: c4,107.2 r1.5
  circle w0.254: c4,149.2 r1.5
  circle w0.254: c56,200.8 r1.5
  circle w0.254: c56,158.8 r1.5
  circle w0.254: c4,158.8 r1.5
  circle w0.254: c4,200.8 r1.5
  lines w0.254: 0,53.213 0,51.6 0,48 ; 0,104.851 0,103.2 0,99.6 ; 0,156.54 0,154.8 0,151.2 ; 70,2.184 70,0 75,0 75,204.8 70,204.8 70,202.8 ; 70,103.149 70,105.2 ; 70,103.2 70,99.6 ; 70,156.896 70,154.8 70,151.2 ; 0,2 ccw(c2,2) 2,0 ; 0,2 ccw(c2,2) 2,0 ; 0,2 ccw(c2,2) 2,0 ; 0,2 ccw(c2,2) 2,0 ; 0,2 ccw(c2,2) 2,0 ; 0,2 0,48 ; 0,2 0,48 ; 0,2 0,48 ; 0,2 0,0 -5,0 -5,204.8 0,204.8 0,202.8 ; 0,2 0,48 ; 0,2 0,48 ; 0,48 cw(c2,48) 2,50 ; 0,48 cw(c2,48) 2,50 ; 0,48 cw(c2,48) 2,50 ; 0,48 cw(c2,48) 2,50 ; 0,48 cw(c2,48) 2,50 ; 0,48 cw(c2,48) 2,50 ; 0,53.6 ccw(c2,53.6) 2,51.6 ; 0,53.6 ccw(c2,53.6) 2,51.6 ; 0,53.6 0,99.6 ; 0,53.6 0,99.6 ; 0,99.6 cw(c2,99.6) 2,101.6 ; 0,99.6 cw(c2,99.6) 2,101.6 ; 0,99.6 cw(c2,99.6) 2,101.6 ; 0,105.2 ccw(c2,105.2) 2,103.2 ; 0,105.2 ccw(c2,105.2) 2,103.2 ; 0,105.2 0,151.2 ; 0,105.2 0,151.2 ; 0,151.2 cw(c2,151.2) 2,153.2 ; 0,151.2 cw(c2,151.2) 2,153.2 ; 0,151.2 cw(c2,151.2) 2,153.2 ; 0,156.8 ccw(c2,156.8) 2,154.8 ; 0,156.8 ccw(c2,156.8) 2,154.8 ; 0,156.8 0,202.8 ; 0,156.8 0,202.8 ; 0,202.8 cw(c2,202.8) 2,204.8 ; 0,202.8 cw(c2,202.8) 2,204.8 ; 0,202.8 cw(c2,202.8) 2,204.8 ; 2,0 12,0 cw(c12.7,0) 12.7,0.7 23.3,0.7 cw(c23.3,0) 24,0 68,0 ; 2,50 36,50 ccw(c36.7,50) 36.7,49.3 47.3,49.3 ccw(c47.3,50) 48,50 68,50 ; 2,51.6 12,51.6 cw(c12.7,51.6) 12.7,52.3 23.3,52.3 cw(c23.3,51.6) 24,51.6 68,51.6 ; 2,101.6 36,101.6 ccw(c36.7,101.6) 36.7,100.9 47.3,100.9 ccw(c47.3,101.6) 48,101.6 68,101.6 ; 2,103.2 12,103.2 cw(c12.7,103.2) 12.7,103.9 23.3,103.9 cw(c23.3,103.2) 24,103.2 68,103.2 ; 2,153.2 36,153.2 ccw(c36.7,153.2) 36.7,152.5 47.3,152.5 ccw(c47.3,153.2) 48,153.2 68,153.2 ; 2,154.8 12,154.8 cw(c12.7,154.8) 12.7,155.5 23.3,155.5 cw(c23.3,154.8) 24,154.8 68,154.8 ; 2,204.8 36,204.8 ccw(c36.7,204.8) 36.7,204.1 47.3,204.1 ccw(c47.3,204.8) 48,204.8 68,204.8 ; 68,0 ccw(c68,2) 70,2 ; 68,0 ccw(c68,2) 70,2 ; 68,0 ccw(c68,2) 70,2 ; 68,0 ccw(c68,2) 70,2 ; 68,0 ccw(c68,2) 70,2 ; 68,50 cw(c68,48) 70,48 ; 68,50 cw(c68,48) 70,48 ; 68,50 cw(c68,48) 70,48 ; 68,50 cw(c68,48) 70,48 ; 68,50 cw(c68,48) 70,48 ; 68,51.6 ccw(c68,53.6) 70,53.6 ; 68,51.6 ccw(c68,53.6) 70,53.6 ; 68,101.6 cw(c68,99.6) 70,99.6 ; 68,101.6 cw(c68,99.6) 70,99.6 ; 68,103.2 ccw(c68,105.2) 70,105.2 ; 68,103.2 ccw(c68,105.2) 70,105.2 ; 68,153.2 cw(c68,151.2) 70,151.2 ; 68,153.2 cw(c68,151.2) 70,151.2 ; 68,154.8 ccw(c68,156.8) 70,156.8 ; 68,154.8 ccw(c68,156.8) 70,156.8 ; 68,204.8 cw(c68,202.8) 70,202.8 ; 68,204.8 cw(c68,202.8) 70,202.8 ; 70,2 70,48 ; 70,2 70,48 ; 70,2 70,48 ; 70,2 70,48 ; 70,2 70,48 ; 70,48 70,51.6 70,53.6 ; 70,53.6 70,99.6 ; 70,53.6 70,99.6 ; 70,105.2 70,151.2 ; 70,105.2 70,151.2 ; 70,156.8 70,202.8 ; 70,156.8 70,202.8

## Other copper
Top Layer:
  region net NetC25_1: 36.906,40.259 36.906,41.427 36.703,41.631 35.763,41.631 35.535,41.859 35.535,43.434 35.763,43.663 39.014,43.663 39.243,43.434 39.243,42.799 39.37,42.672 40.513,42.672 41.986,41.199 41.986,39.954 41.885,39.853 40.792,39.853 40.589,40.056 40.589,40.869 40.081,41.377 37.922,41.377 37.77,41.224 37.77,40.259
  region net 3.3V: 37.084,47.625 37.313,47.396 37.313,45.06 37.008,44.755 33.071,44.755 32.664,45.161 32.664,47.396 32.893,47.625
  region net 3.3V: 19.101,21.641 18.948,21.488 18.948,19.761 19.152,19.558 23.241,19.558 23.343,19.66 23.343,20.422 23.266,20.498 20.803,20.498 20.752,20.549 20.752,20.701 20.803,20.752 23.241,20.752 23.368,20.879 23.368,21.438 23.165,21.641
  region net NetD1_1: 9.703,34.061 9.703,35.56 9.83,35.687 12.7,35.687 12.802,35.789 12.802,36.5 12.7,36.601 9.804,36.601 9.703,36.703 9.703,37.948 9.855,38.1 16.764,38.1 16.916,37.948 16.916,36.17 16.713,35.966 14.63,35.966 14.376,35.712 14.376,34.392 13.945,33.96 9.804,33.96
  pour cut-out: 17.551,42.266 17.551,44.856 17.614,44.919 20.839,44.919 20.839,44.817 18.288,42.266
GND (plane layer: these items are gaps in the copper):
  lines w0.254: 21.184,27.686 21.184,37.389 22.225,38.43 24.917,38.43 25.527,37.821 25.527,35.738 24.003,34.214 24.003,30.988 24.943,30.048 34.29,30.048 35.331,29.007 35.331,27.864 34.595,27.127 21.742,27.127 21.184,27.686
POWER (plane layer: these items are gaps in the copper):
  lines w0.254: 17.424,19.837 17.424,45.796 19.228,47.6 34.874,47.6 35.484,46.99 35.484,45.085 35.204,44.806 23.165,44.806 21.844,43.485 21.844,19.329 21.666,19.152 18.11,19.152 17.424,19.837 ; 57.531,12.548 58.344,11.735 64.948,11.735 65.456,12.243 65.456,18.339 65.456,21.946 66.167,22.657 67.437,22.657 67.716,22.936 67.716,24.333 67.437,24.613 63.576,24.613 63.297,24.892 63.297,25.095 63.297,33.757 63.297,35.56 62.967,35.89 61.087,35.89 60.782,35.585 60.782,33.553 60.782,17.907 60.401,17.526 58.242,17.526 57.531,16.815 57.531,12.548

## Silkscreen, mask and mechanical layers (free items; w line width, h text height)
Top Overlay:
  text "V" at 65.532,44.501 h0.76
  text "G" at 65.583,43.383 h0.76
  text "IO" at 64.922,42.24 h0.76
  text "CLK" at 63.957,41.148 h0.76
  text "RST" at 63.983,40.107 h0.76
  text "1" at 10.795,38.811 h0.76
  text "8" at 10.439,17.45 h0.76
  text "SET" at 64.135,11.201 h0.76
  text "MCUT" at 63.094,10.008 h0.76
  text "MCUR" at 62.967,4.496 h0.76
  text "SW_DA" at 26.975,3.962 h0.76
  text "SW_CLK" at 31.598,3.962 h0.76
  text "G" at 25.603,3.886 h0.76
  text "G" at 44.425,3.81 h0.76
  text "DR" at 46.609,3.734 h0.76
  text "DT" at 49.174,3.734 h0.76
  text "G" at 65.354,3.277 h0.76
Bottom Overlay:
  text "WX0.006.499PCB-4.2" at 64.694,34.9 h2.54
  text "102010403-0180" at 64.694,32.741 h2.54
  text "UWLWn-P23 NB" at 64.821,30.455 h2.54
  text "2022.6.17" at 64.821,28.296 h2.54
  text "V1" at 64.821,26.264 h2.54